# Altium PCB MasterBoard Filips Shape.PcbDoc (part 2 of 2)
Units mil, origin at the board's own origin, x right, y up, seen from the top; angles counter-clockwise.
Board outline 2846.02 x 5000 mil, 4 copper layers (Top Layer, GROUND, POWER, Bottom Layer), stack 23.756 mil thick; 102 components, 59 nets, 328 pads, 103 vias.
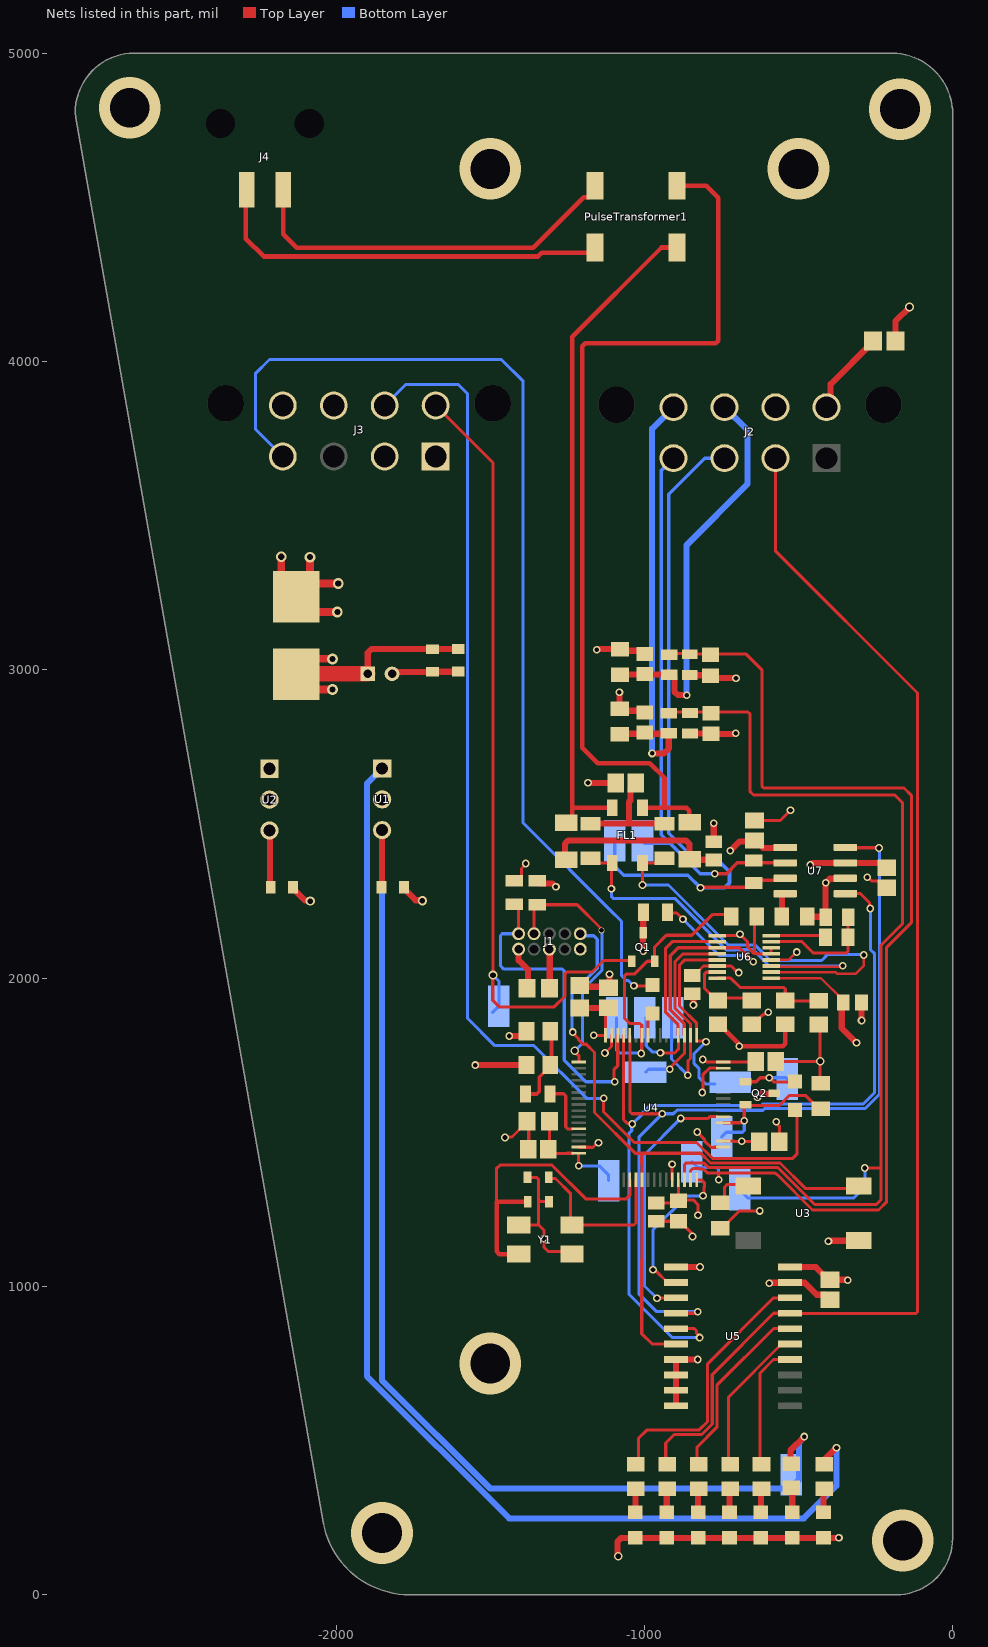
[diagram p4: the nets of this part, all layers, seen from the top]

## Via types
v1: diameter 25, hole 15, Top Layer to Bottom Layer, 82 vias
v2: diameter 200, hole 129, Top Layer to Bottom Layer, 7 vias
v3: diameter 35, hole 20, Top Layer to Bottom Layer, 6 vias
v4: diameter 28, hole 18, Top Layer to Bottom Layer, 4 vias
v5: diameter 30, hole 18, Top Layer to Bottom Layer, 3 vias
v6: diameter 20, hole 15, Top Layer to Bottom Layer, 1 vias

## Nets (pads, with @x,y where several pads share a name; then routed paths per layer and width w, separated by ;. In a path a pad name is that pad's centre, name@x,y a point inside that pad or via, vN(x,y) a via of type N, cw(c..) or ccw(c..) an arc to the next point about the centre after c; other vN are vias at no path point)
12V_Fused: C1.1 C2.1 C4.1 F1.2 R7.2 U1.1 U2.1 | length 4929.9
  Top Layer w10: F1.2@-2178,3034.61 F1.2@-2129,2985.61 ; F1.2@-2165,2949.61 F1.2@-2129,2985.61 ; F1.2@-2080,2936.61 F1.2@-2129,2985.61 ; F1.2@-2079,3035.61 F1.2@-2129,2985.61
  Top Layer w20: C2.1@-1897.37,2987 -1897.37,3055.7 -1885.65,3067.42 C4.1@-1604,3067.42 ; R7.2@-423,431 v1(-377,477)
  Top Layer w25: F1.2@-2080,2936.61 v3(-2012,2936.61) ; F1.2@-2079,3035.61 v3(-2012,3035.61)
  Top Layer w50: F1.2@-2126,2987 C2.1@-1897.37,2987
  Bottom Layer w20: U1.1@-1850.29,2680.29 -1900.27,2630.31 -1900.27,708.91 -1438.96,247.61 -482.56,247.61 -377,353.16 -377,476.78 v1@-376.78,477
AIR_Open_Sig: AIR_OPEN_SIGNAL.1 J3.5 Q1.1 | length 2709.7
  Top Layer w10: J3.5@-1676.94,3857.35 -1491,3671.42 v4(-1491,2010) ; v4@-1492,2010 -1492,1928 -1470.95,1906.95 -1292.02,1906.95 -1257,1941.97 -1257,2014.14 -1251.14,2020 -1170,2020 -1139,2051 -1139,2051.14 -1133.14,2057 -1043.66,2057 Q1.1@-1041.4,2054.74
  Bottom Layer w10: AIR_OPEN_SIGNAL.1@-1493,1888 AIR_OPEN_SIGNAL.1@-1472,1909 -1472,1991 v4(-1491,2010)
AIRS_Signal_NMOS: "AIR Signal NMOS.1" Q1.2 R16.2 U4.42 | length 946.1
  Top Layer w10: v1(-1010.59,1755.41) -1008.45,1757.55 -1008.45,1813.69 U4.42@-1007.78,1814.35 -1008.45,1815.02 -1008.45,1847.07 -1014.39,1853.01 -1047.15,1853.01 -1065,1870.86 -1065,2006.28 -1057.51,2013.77 -1031.23,2013.77 -990.26,2054.74 Q1.2@-966.6,2054.74 -966.6,2101.11 -928.71,2139 -846,2139 -778,2207 -731.37,2207 R16.2@-718.37,2194
  Bottom Layer w10: -1090,1871 -1090,1765.86 -1081.14,1757 -1012.18,1757 v1(-1010.59,1755.41)
CANH: CANH.1 J2.3 R37.2 U7.7 | length 2392.1
  Top Layer w12: v1(-818,2293) -815.84,2293 -813.54,2295.29 -658.09,2295.29 R37.2@-645,2308.39 -635.48,2317.9 -576.14,2317.9 -570.05,2324 U7.7@-543.28,2324
  Bottom Layer w12: CANH.1@-1096,2446 -1096,2363 -1067,2334 -859,2334 v1(-818,2293) -740,2293 -724,2309 -724,2345 -760,2381 -832,2381 -921,2470 -921,3570 -804.45,3686.55 J2.3@-740.15,3686.55
CANL: CANL.1 J2.4 R37.1 U7.6 | length 1803.9
  Top Layer w12: v1(-772,2339) -734,2339 -699,2374 -652.61,2374 R37.1@-645,2381.61 -637.39,2374 U7.6@-543.28,2374
  Bottom Layer w12: CANL.1@-1006,2446 -998,2438 -918,2438 ; J2.4@-905.5,3686.55 -905.5,3686.01 -945,3646.51 -945,2465 -918,2438 ; v1(-772,2339) -819,2339 -918,2438
CanRx: U4.44 U5.4 U7.4 | length 2899.3
  Top Layer w10: U4.44@-1047.15,1814.35 -1047.15,1567.15 -1040,1560 v1(-942,1560) ; U5.4@-897,913 -835.73,913 -830.5,918.23 v1(-826.44,918.23) ; U7.4@-348,2424 -347,2423 -240,2423 v1(-239,2422)
  Bottom Layer w10: v1(-826.44,918.23) -960.23,918.23 -1018,976 -1018,1484 v1(-942,1560) -905.89,1560 -893.39,1572.5 -754.89,1572.5 -753.89,1571.5 -615.4,1571.5 -609.9,1577 -283.79,1577 -238,1622.79 -238,2421 v1(-239,2422)
CanRx_FromBuff: R3.2 U5.16 | length 598.6
  Top Layer w10: R3.2@-823.84,423.11 -828.84,428.11 -828.84,479.15 -764.99,543 -764.99,679.01 -581,863 U5.16@-527,863
CanTx: U4.45 U5.5 U7.1 | length 2790.6
  Top Layer w10: U4.45@-1066.83,1814.35 -1067.57,1813.62 -1067.57,1813.24 -1067.57,1541.19 -1055.39,1529 -1041,1529 v1(-1039,1527) ; U5.5@-897,863 -837.96,863 -830.94,855.98 -830.94,848 -821,838.06 v1(-821,834) ; U7.1@-348,2274 -299,2274 -269.87,2244.87 -269.87,2228.87 v1(-267,2226)
  Bottom Layer w10: v1(-821,834) -909,834 -1049.67,974.67 -1049.67,1496.76 -1041,1505.43 -1041,1525 -1007,1559 -1007,1562 -981.5,1587.5 -748.68,1587.5 -747.68,1586.5 -621.61,1586.5 -616.11,1592 -290,1592 -253,1629 -253,2078.89 -267,2092.89 v1(-267,2226)
CanTx_FromBuff: R4.2 U5.15 | length 489.1
  Top Layer w10: R4.2@-727,423.11 -727,641 -555,813 U5.15@-527,813
CHANNEL1: C6.1 CHANNEL1.1 R10.1 R11.2 U4.14 | length 3645.8
  Top Layer w10: R11.2@-921,2859.48 -917.48,2863 -854.5,2863 R10.1@-852,2860.5 -849.5,2863 C6.1@-784,2863 ; U4.14@-869.98,1345.85 -869.98,1395.14 -864.13,1401 -807.43,1401 -791.69,1385.26 -566.47,1385.26 -447.05,1265.84 -247.86,1265.84 -242,1271.7 -232.71,1280.99 ; C6.1@-784,2859.46 C6.1@-784,2863 ; v1(-285,1384) -232,1384 ; -232,1281.7 -232,1373 ; -232,1374 -232,1384 ; C6.1@-784,2863 -663.86,2863 -658,2857.14 -658,2606 -646,2594 -188,2594 -163,2569 -163,2176.46 -232,2107.46 -232,1384
  Bottom Layer w10: CHANNEL1.1@-691,1313 -665,1287 -321,1287 -285,1323 v1(-285,1384)
CHANNEL2: C11.2 CHANNEL2.1 R13.1 R15.2 U4.15 | length 3440.4
  Top Layer w10: R15.2@-919,3049.48 -915.48,3053 -855.5,3053 R13.1@-853,3050.5 -852.5,3051 C11.2@-785,3051 ; U4.15@-850.3,1345.85 -850.3,1374.73 -842.68,1382.35 -820.95,1382.35 -819.19,1380.59 -808.23,1380.59 -796.24,1368.6 -759,1368.6 ; C11.2@-785,3048.46 C11.2@-785,3051 ; v1(-759,1346) -759,1368.6 ; C11.2@-785,3051 -669.86,3051 -619,3000.14 -619,2622.86 -613.14,2617 -158,2617 -134,2593 -134,2180 -214,2100 -214,1274.24 -240.4,1247.84 -454.51,1247.84 -569.49,1362.82 ccw(c-576.56,1355.75) -569.56,1362.89 ccw(c-583.34,1349.1) -583.34,1368.6 -759,1368.6
  Bottom Layer w10: CHANNEL2.1@-846,1405 -827,1386 -766,1386 -759,1379 v1(-759,1346)
ChargeSignal: R35.1 U4.41 | length 77.8
  Top Layer w10: U4.41@-988.09,1814.35 -988.09,1870.15 -988.84,1870.9 R35.1@-974,1885.74
Charging: "Charging Signal.1" Q2.1 R33.1 | length 231.1
  Top Layer w10: Q2.1@-672,1663.8 -671.9,1663.9 -637.56,1663.9 -624.46,1677 v1(-594.94,1677) -581.34,1663.4 -512.86,1663.4 R33.1@-512,1664.26
  Bottom Layer w10: v1(-594.94,1677) -541,1677 -537,1673
CS_CHANNEL1: C7.2 J2.8 R9.1 R11.1 | length 1422.5
  Top Layer w20: R9.1@-1080,2790.63 -1078.05,2792.57 -922.95,2792.57 R11.1@-921,2794.52 -921,2744.87 -936.78,2729.09 -974.91,2729.09 v1(-975,2729)
  Bottom Layer w20: v1(-975,2729) -975,3782.41 J2.8@-905.5,3851.91
CS_CHANNEL2: C10.1 J2.7 R12.1 R15.1 | length 1309
  Top Layer w20: R12.1@-1079,2984.63 -1078.95,2984.57 -919.05,2984.57 R15.1@-919,2984.52 ; R15.1@-909.16,2984.52 -902.43,2977.79 -902.43,2929.72 -890.71,2918 v1(-863,2918)
  Bottom Layer w20: v1(-863,2918) -863,3405 -665,3603 -665,3776.76 J2.7@-740.15,3851.91
GND: 5V.1 12V.1 C1.2 C2.2 C3.2 C4.2 C5.2 C6.2 C7.1 C8.2 C9.2 C10.2 C11.1 C12.1 C13.1 C14.1 C15.2 C16.1 C17.1 C18.2 C19.1 C20.1 C21.1 C22.1 C23.1 C24.1 C25.1 C26.1 C27.2 C28.2 CnRx.1 CnTx.1 HBt.1 J1.5 J1.9 J2.6 J3.7 J3.8 R9.2 R10.2 R12.2 R13.2 R14.1 R16.1 R20.2 R23.2 R25.2 R26.1 R34.1 R36.2 Reset.1 ShutD.1 U1.2 U2.2 U3.4 U4.12 U4.18 U4.31 U4.47 U4.63 U5.1 U5.7 U5.8 U5.9 U5.10 U5.19 U6.1 U6.13 U6.14 U7.2 Y1.2 Y1.4 | length 5773.6
  Top Layer w10: v1(-1452,1483) -1450.09,1484.91 -1429.54,1484.91 -1380.47,1533.98 C15.2@-1380.47,1536 -1375,1530.53 -1375,1446.48 C14.1@-1376.48,1445 ; Y1.4@-1407.61,1199.24 -1342.24,1199.24 ; C28.2@-1378.07,1352.93 -1348.93,1352.93 -1343.07,1347.07 -1343.07,1280.93 ; C27.2@-1309.62,1274.93 -1337.07,1274.93 -1343.07,1280.93 ; Y1.2@-1232.14,1107 Y1.2@-1234.39,1104.76 -1242.63,1113 -1311,1113 -1326,1128 v1(-1326,1155.5) -1326,1183 -1342.24,1199.24 ; U4.63@-1212.5,1452.15 -1211.83,1451.48 -1175.38,1451.48 -1174.94,1451.05 -1166.66,1451.05 -1151.71,1466 v1(-1149,1466) ; v1(-1128,1757) -1106.87,1778.13 -1106.87,1813.69 U4.47@-1106.2,1814.35 ; C16.1@-961,1211.47 -890.06,1211.47 C17.1@-890,1211.54 -886.06,1211.54 -846.87,1172.34 -846.87,1164.87 v1(-844,1162) ; v1(-910.1,1395.9) -910.1,1370.9 -910.02,1370.82 -910.02,1346.52 U4.12@-909.35,1345.85 ; v1(-829,1501) -805.52,1477.52 -805.52,1472.52 -784.05,1451.05 -774.05,1451.05 -773.61,1451.48 U4.18@-762.62,1451.48 ; v1(-812,1629) -810.2,1630.8 -810.2,1686.69 -788.83,1708.06 U4.31@-762.62,1708.06 ; U6.1@-763.6,2137.9 -698.16,2137.9 -694.06,2142 v1(-690,2142) -665.13,2117.13 -665.13,2100.85 -644.78,2080.5 -633.6,2080.5 -631.94,2078.84 U6.13@-588.4,2078.84 -589.41,2079.85 -589.41,2097.52 U6.14@-588.4,2098.53 ; R23.2@-652,1850.57 -646.51,1850.57 -619.31,1877.77 cw(c-599.52,1857.99) -613.49,1882.24 cw(c-608.52,1873.56) -610.25,1883.41 ccw(c-614.82,1909.62) -604.38,1885.14 ccw(c-614.82,1909.62) v1(-598,1889) ; -643.12,2080.5 -643.12,2192.51 R16.1@-635.63,2200 ; C24.1@-643,2511.48 -559.52,2511.48 v1(-526,2545) ; C13.1@-573.52,1730 -447.62,1730 ; v1(-572,1534) -572,1529.94 -562.04,1519.98 C12.1@-562.04,1469 ; -444.14,1730 -447.61,1730 ; R25.2@-434,1849.57 -430,1845.57 v4(-430,1730) ; R34.1@-428,1659.37 -430,1661.37 v4(-430,1730) ; v1(-277.29,2327) -274.59,2327 -262.68,2315.09 -235.57,2315.09 C23.1@-214,2293.52 ; -1343.07,1280.93 -1343.07,1200.07 -1342.24,1199.24 ; -447.62,1730 v4(-430,1730)
  Top Layer w20: C5.2@-2139.58,2295 -2139.58,2290.08 -2101.42,2251.91 -2085.91,2251.91 v5(-2084,2250) ; C2.2@-1818.63,2987 -1813.36,2992.27 -1794.44,2992.27 -1793.13,2993.58 C1.2@-1687,2993.58 -1686.5,2994.08 -1604.5,2994.08 C4.2@-1604,2994.58 ; C3.2@-1779.58,2295 -1779.58,2290.08 -1742.03,2252.53 -1721.53,2252.53 v5(-1720,2251) ; v1(-1549,1718) R20.2@-1382.43,1718 R20.2@-1378.43,1718 ; R14.1@-1342.63,2320.76 R14.1@-1348,2315.39 -1339.3,2306.68 -1297.68,2306.68 v1(-1287,2296) ; J1.5@-1308,2094 -1307,2093 -1307,1968 C8.2@-1306,1967 ; C18.2@-1210,1975.47 -1206.51,1971.97 -1129.55,1971.97 -1124.52,1977 C19.1@-1116,1968.48 ; v1(-1183,2634) -1182,2633 C26.1@-1093.48,2633 ; v1(-1155,3065) -1153.65,3065 -1151.27,3067.37 R12.2@-1079,3067.37 ; C19.1@-1116,1977 -1113,1980 v1(-1113,2013) ; v4(-1085,125) -1085,127.16 -1086.91,129.07 -1086.91,172.69 -1075.19,184.4 HBt.1@-1029,184.4 ; v1(-1081,2927) -1081,2874.37 R9.2@-1080,2873.37 ; R12.2@-1075,3067 R12.2@-1060.88,3081.12 ; R9.2@-1073.11,2880.27 -1060.31,2867.47 -1004.9,2867.47 C7.1@-999,2861.57 ; R12.2@-1060.31,3080.47 -1060.31,3063.03 -1059.31,3062.03 -1009.46,3062.03 C10.2@-999,3051.57 ; HBt.1@-1030.97,184.4 ShutD.1@-927.33,184.4 CnRx.1@-825.67,184.4 CnTx.1@-724,184.4 Reset.1@-622.33,184.4 5V.1@-520.67,184.4 -369.73,184.4 -369.13,185 v1(-369,185) ; U5.10@-897,613 U5.9@-897,663 U5.8@-897,713 U5.7@-897,763 v1(-827,763) ; U5.1@-897,1063 U5.1@-897,1063 -819.81,1062.96 v1(-819.78,1062.92) ; R13.2@-853,2983.5 -852.02,2982.52 C11.1@-785.98,2982.52 ; R10.2@-852,2793.5 -851.52,2793.02 -784.48,2793.02 -783.46,2792 -707.35,2792 -705.35,2794 v1(-704,2794) ; C22.1@-845,1949.47 -841.09,1945.56 -841.09,1913.09 v1(-841,1913) ; C11.1@-785,2981.54 C11.1@-785.98,2982.52 ; C25.1@-775,2442.53 v1(-775,2502) ; v1(-703,2973) -703.96,2973.96 -777.42,2973.96 C11.1@-785.98,2982.52 ; v1(-595,1010.5) -593.65,1010.5 -592.15,1012 U5.19@-527,1012 ; U5.19@-527,1013 -526,1012 -480,1012 -441.02,973.02 -414.5,973.02 C20.1@-398,956.52 ; R36.2@-471.3,2200 -470.3,2199 -412.42,2199 R26.1@-412,2198.58 ; R26.1@-411.42,2198 R26.1@-412,2198.58 ; v1(-403,1147) -401.58,1148.42 U3.4@-304.87,1148.42 U3.4@-288,1131.55 ; U7.2@-348,2324 -349.61,2322.39 -398.61,2322.39 v1(-412,2309) R26.1@-412,2198.58 ; v1(-295.47,1862.53) C21.1@-295.47,1921 ; C9.2@-185.55,4067 -185.55,4131.45 v5(-140,4177)
  other v2: -162,176 -1851,200 -1500,750 -1500,4625 -500,4625 -171,4819 -2669,4823
HEARTBEAT: R1.2 U5.18 | length 881.6
  Top Layer w10: R1.2@-1019,416 -1019,507 -991.15,534.85 -821.85,534.85 -794.99,561.72 -794.99,749.01 -581,963 U5.18@-527,963
HEARTBEAT_BUFF: U4.16 U5.2 | length 502.5
  Top Layer w10: v1(-972,1054) -969.13,1051.13 -963.13,1051.13 -925,1013 U5.2@-897,1013 ; U4.16@-830.61,1345.85 -814.85,1345.85 -805.5,1336.5 -805.5,1322.56 -807.13,1320.93 -807.13,1296.87 v1(-810,1294)
  Bottom Layer w10: v1(-972,1054) -972,1183.35 -861.35,1294 v1(-810,1294)
IM: FL1.2 R31.1 U6.10 | length 1326.8
  Top Layer w7.87: U6.10@-588.4,2019.79 -380.6,2019.79 -374.37,2013.56 -315.44,2013.56 -288,2041 v1(-288,2075)
  Top Layer w10: v1(-1006,2302) -1006,2373.22 FL1.2@-1005.79,2373.43 -949.46,2373.43 R31.1@-934,2388.9
  Bottom Layer w10: v1(-1006,2302) -921.79,2302 -839,2219.21 -839,2219 -727,2107 -640.9,2107 -590.9,2057 -425,2057 -405,2077 -297.07,2077 -296.98,2076.91 -289.91,2076.91 v1(-288,2075)
IM_Out_Connector: J4.2 PulseTransformer1.3 | length 1267.7
  Top Layer w15: J4.2@-2171.94,4556.65 -2171.94,4412.94 -2128,4369 -1360.5,4369 -1196.66,4532.84 -1179.5,4532.84 -1159.5,4552.84 PulseTransformer1.3@-1159.5,4570
IP: FL1.1 R29.2 U6.11 | length 1264.1
  Top Layer w7.87: U6.11@-588.4,2039.47 -586.53,2037.6 -359.4,2037.6 v1(-357,2040)
  Top Layer w10: R29.2@-1175.46,2388.9 -1159.99,2373.43 FL1.1@-1104.21,2373.43 -1107,2370.65 v1(-1107,2290)
  Bottom Layer w10: v1(-1107,2290) -1107,2264.86 -1101.14,2259 -901,2259 -734,2092 -647.11,2092 -594.58,2039.47 -357.53,2039.47 v1(-357,2040)
IP_Out_Connector: J4.1 PulseTransformer1.4 | length 1328.4
  Top Layer w15: J4.1@-2290.06,4556.65 -2293,4553.7 -2293,4399 -2235,4341 -1345,4341 -1333.16,4352.84 -1176.66,4352.84 PulseTransformer1.4@-1159.5,4370
MISO: R27.1 TP_MISO.1 U4.35 U6.3 | length 1132.2
  Top Layer w10: R27.1@-924.63,2214 -922,2211.37 -895.37,2211.37 v1(-875,2191) ; v1(-917.45,1704.55) -917.45,1708.52 -869.98,1755.98 U4.35@-869.98,1814.35 -870.65,1815.02 -870.65,1851.65 -916,1897 -916,2072.64 -890.11,2098.53 -692.53,2098.53 v1(-647,2053)
  Bottom Layer w10: TP_MISO.1@-996,1695 -986.45,1704.55 v1(-917.45,1704.55) ; v1(-875,2191) -758,2074 -668,2074 v1(-647,2053)
NetC25_2: C25.2 R30.1 R32.2 | length 596.5
  Top Layer w20: R30.1@-1253,2383.92 -1258,2388.92 -1258,2435.28 -1246.28,2447 -865.72,2447 -854,2435.28 -854,2385.92 R32.2@-853,2384.92 -852.28,2384.2 -775.72,2384.2 C25.2@-775,2383.47
NetC26_2: C26.2 R29.1 R31.2 | length 382.3
  Top Layer w20: R29.1@-1175.46,2501.1 -1050,2501.1 ; C26.2@-1028.52,2633 -1041.38,2620.14 -1045.09,2616.43 -1045.09,2576.28 -1050,2571.38 -1050,2501.1 ; R31.2@-934,2501.1 -1050,2501.1
"NetCharging Signal NMOS_1": "Charging Signal NMOS.1" Q2.2 R34.2 U4.22 | length 513
  Top Layer w10: U4.22@-744,1530.89 -684.82,1530.89 -678.71,1537 v1(-676,1537) -676,1585 Q2.2@-672,1589 -669.5,1586.5 -563.5,1586.5 -531,1619 -476.31,1619 -433.94,1576.63 R34.2@-428,1576.63
  Bottom Layer w10: -749,1485 -734,1500 -681.86,1500 -676,1505.86 v1(-676,1537)
NetD1_2: HBt.2 R1.1 | length 65.6
  Top Layer w20: R1.1@-1029.52,345.48 -1029.26,345.22 HBt.2@-1029.26,280.34 ; HBt.2@-1029.26,267.34 HBt.2@-1029,267.08
NetD2_2: R2.1 ShutD.2 | length 65.5
  Top Layer w20: R2.1@-927.68,345.48 -927.51,345.31 ShutD.2@-927.51,280.25 ; ShutD.2@-927.51,267.25 ShutD.2@-927.33,267.08
NetD3_2: CnRx.2 R3.1 | length 65.5
  Top Layer w20: R3.1@-825.84,345.48 -825.75,345.39 CnRx.2@-825.75,280.16 ; CnRx.2@-825.75,267.16 CnRx.2@-825.67,267.08
NetD4_2: CnTx.2 R4.1 | length 65.4
  Top Layer w20: CnTx.2@-724,280.08 R4.1@-724,345.48
NetD5_2: R5.1 Reset.2 | length 65.5
  Top Layer w20: Reset.2@-622.33,267.08 Reset.2@-622.25,267.16 ; Reset.2@-622.25,280.16 -622.25,345.39 R5.1@-622.16,345.48
NetD6_2: 5V.2 R6.1 | length 65.5
  Top Layer w20: 5V.2@-520.67,267.08 5V.2@-520.49,267.25 ; 5V.2@-520.49,280.25 -520.49,345.31 R6.1@-520.32,345.48
NetD7_2: 12V.2 R7.1 | length 65.6
  Top Layer w20: 12V.2@-419,267.08 12V.2@-418.74,267.34 ; 12V.2@-418.74,280.34 -418.74,345.22 R7.1@-418.48,345.48
NetF1_1: F1.1 J3.1 J3.2 | length 626.7
  Top Layer w10: F1.1@-2080.21,3187.61 F1.1@-2129,3236.39 ; F1.1@-2129,3236.39 -2129,3259.61 -2171,3301.61 -2171,3278.39 F1.1@-2129,3236.39
  Top Layer w25: v3(-2178,3367) -2178,3307.36 -2172.25,3301.61 F1.1@-2171,3301.61 ; F1.1@-2129,3236.39 -2085.39,3280 v3(-1993,3280) ; F1.1@-2085,3280.39 v3(-2085,3365.61) ; F1.1@-2080.21,3187.61 v3(-1996,3187.61)
NetFL1_3: FL1.3 PulseTransformer1.2 R32.1 | length 2963.1
  Top Layer w10: R32.1@-854,2506.08 R32.1@-853,2505.08
  Top Layer w15: FL1.3@-1005.79,2552.57 -934.68,2552.57 ; PulseTransformer1.2@-894.5,4570 -799,4570 -760,4531 -760,4067.79 -768.79,4059 -1192.21,4059 -1201,4050.21 -1201,2747 -1151,2697 -982.22,2697 -934.68,2649.45 -934.68,2552.57 ; R32.1@-854,2506.08 -854,2543 -863.57,2552.57 -934.68,2552.57
NetFL1_4: FL1.4 PulseTransformer1.1 R30.2 | length 2173.2
  Top Layer w10: R30.2@-1253,2504.08 R30.2@-1250.08,2507
  Top Layer w15: R30.2@-1250.08,2507 -1249.79,2507 -1233.51,2523.28 -1233.51,2552.57 ; FL1.4@-1104.21,2552.57 -1233.51,2552.57 ; PulseTransformer1.1@-894.5,4370 -944.5,4370 -1233.51,4080.99 -1233.51,2552.57
NetJ3_4: J3.4 R35.2 | length 3398.6
  Top Layer w10: v1(-1034,1975) -977.26,1975 R35.2@-974,1978.26
  Bottom Layer w10: J3.4@-2173,3692 -2262,3781 -2262,3961 -2216,4007 -1464,4007 -1393.12,3936.12 -1393.12,2503.12 -1094,2204 -1093.86,2204 -1074,2184.14 -1074,2008 -1058.5,1992.5 -1052.19,1992.5 -1034.69,1975 v1(-1034,1975)
NetJ3_6: J3.6 R33.2 | length 3768.9
  Top Layer w10: v1(-1132,1610) -1133,1609 -1133,1567.3 -1032.65,1466.95 -830.95,1466.95 -779.26,1415.26 -518.74,1415.26 -505.64,1428.36 -505.64,1565.38 R33.2@-512,1571.74
  Bottom Layer w10: J3.6@-1842.29,3857.35 -1774.65,3925 -1603,3925 -1574,3896 -1574,1870 -1485,1781 -1358,1781 -1187,1610 v1(-1132,1610)
NetR17_1: R17.1 U3.1 | length 139.3
  Top Layer w10: R17.1@-754,1271.37 -740,1285.37 -740,1322 -731,1331 -668.55,1331 U3.1@-663.13,1325.58
NetR18_1: R18.1 U4.60 | length 182.8
  Top Layer w10: R18.1@-1306.63,1624 -1305.63,1625 -1262.03,1625 -1255,1617.97 -1255,1517.13 -1247.97,1510.1 -1239.69,1510.1 -1239.25,1510.54 U4.60@-1231.13,1510.54
NetR18_2: R18.2 R19.1 R20.1 | length 260.1
  Top Layer w12: R18.2@-1385.37,1624 -1349.26,1624 -1340.77,1632.49 -1340.77,1678.82 R20.1@-1301.59,1718 ; R19.1@-1302,1828 -1301.57,1827.57 R20.1@-1301.57,1718
NetR21_1: R21.1 R26.2 U6.15 | length 378.2
  Top Layer w10: U6.15@-588.4,2118.21 -488.61,2118.21 -451.4,2081 -345.44,2081 -339.58,2086.86 R21.1@-339.58,2132 -339.58,2197 R26.2@-338.58,2198
NetR21_2: R21.2 U6.16 | length 178.4
  Top Layer w10: U6.16@-588.4,2137.9 -418.31,2137.9 R21.2@-412.42,2132
NetR22_1: R22.1 R23.1 U6.7 | length 266.8
  Top Layer w10: U6.7@-763.6,2019.79 -786.35,2019.79 -787.14,2019 -799.69,2019 -805.55,2013.14 -805.55,1968 -764.98,1927.43 R22.1@-761,1927.43 -753,1935.43 -660,1935.43 R23.1@-652,1927.43
NetR24_1: R24.1 R25.1 U6.8 | length 381.6
  Top Layer w10: U6.8@-763.6,2000.1 -720.06,2000.1 -689.95,1970 -548.86,1970 -543,1964.14 R24.1@-543,1927.43 -542,1926.43 R25.1@-434,1926.43
NetR36_1: R36.1 U7.8 | length 83.8
  Top Layer w20: R36.1@-554.04,2200 -554.04,2272.39 -552.43,2274 U7.8@-543.28,2274
NetTP_CS_1: TP_CS.1 U4.33 U6.5 | length 628.8
  Top Layer w10: v1(-800,1794) -801.73,1795.73 -829.94,1795.73 -830.61,1796.4 -830.61,1854.04 -886,1909.43 -886,2042.14 -868.98,2059.16 U6.5@-763.6,2059.16
  Bottom Layer w10: v1(-800,1794) -838.5,1755.5 -838.5,1722.49 -823.5,1707.49 -823.5,1678.54 -801.96,1657 TP_CS.1@-771,1657
NetTP_MOSI_1: TP_MOSI.1 U4.36 U6.2 | length 732.3
  Top Layer w10: v1(-948,1758) -947,1757 -901.86,1757 -889.67,1769.19 U4.36@-889.67,1814.35 -890.34,1815.02 -890.34,1848.34 -931,1889 -931,2096.99 -909.78,2118.21 U6.2@-763.6,2118.21
  Bottom Layer w10: TP_MOSI.1@-997,1871 -994,1868 -994,1779.96 -974.91,1760.87 -950.87,1760.87 v1(-948,1758)
NetTP_SCK_1: TP_SCK.1 U4.34 U6.4 | length 749.1
  Top Layer w10: v1(-859,1685) -859,1730.91 -850.3,1739.61 U4.34@-850.3,1814.35 -850.76,1814.82 -850.76,1852.98 -901,1903.21 -901,2052.6 -874.76,2078.84 U6.4@-763.6,2078.84
  Bottom Layer w10: TP_SCK.1@-908,1870 -912,1866 -912,1738 v1(-859,1685)
OSC_IN: C27.1 U4.5 Y1.1 | length 1038.7
  Top Layer w10: -1476,1275.21 -1480,1279.21 -1480,1382 -1468,1394 -1300,1394 -1189,1283 -1060,1283 -1047.15,1295.85 U4.5@-1047.15,1345.85
  Top Layer w15: -1476,1275.21 -1435.27,1275.21 ; Y1.1@-1407.61,1104.76 -1470.21,1104.76 -1479,1113.54 -1479,1275 -1435.27,1275 -1378.59,1275 C27.1@-1378.52,1274.93 -1378.52,1280.83 C27.1@-1383.82,1286.13
OSC_OUT: C28.1 U4.6 Y1.3 | length 546.4
  Top Layer w10: C28.1@-1310.17,1353.93 -1306.48,1350.24 -1288.24,1350.24 -1239,1301 -1239,1203.86 Y1.3@-1234.39,1199.24 -1034.07,1199.24 -1027.46,1205.85 U4.6@-1027.46,1345.85
RESET: J1.10 U3.2 U4.7 U5.6 | length 2369
  Top Layer w10: v1(-1232.5,1825) -1232.5,1822.53 -1214.29,1804.32 -1214.29,1800.79 -1198.95,1785.45 -1188.68,1785.45 -1162,1758.76 -1162,1564 -1030,1432 -1008.53,1432 ; U5.6@-897,813 -975,813 -1008.53,846.53 -1008.53,1086.84 -1007.78,1087.59 U4.7@-1007.78,1345.85 -1007.78,1397.53 -1008.53,1398.28 -1008.53,1432 ; U3.2@-304.87,1325.58 -313.45,1317 -477,1317 -560.26,1400.26 -785.47,1400.26 -817.21,1432 -1008.53,1432
  Bottom Layer w10: v1(-1232.5,1825) -1234.76,1827.26 -1234.76,1950.24 -1153,2032 -1153,2126 -1164.5,2137.5 -1201.5,2137.5 J1.10@-1208,2144
RESET_FromBuff: R5.2 U5.14 | length 418.3
  Top Layer w10: R5.2@-625.16,417 -625.16,718.84 -581,763 U5.14@-527,763
SHUTDOWN: J2.2 R2.2 U5.17 | length 4118.5
  Top Layer w10: R2.2@-925.68,423.11 -930.68,428.11 -930.68,492.32 -903.15,519.85 -814.13,519.85 -779.99,554 -779.99,714.01 -581,913 U5.17@-527,913 -526,912 -119.86,912 -114,917.86 -114,2925 -575,3386 -575,3686.34 J2.2@-574.79,3686.55
SHUTDOWN_BUFF: U4.23 U5.3 | length 833.8
  Top Layer w10: v1(-959.23,961.23) -958.35,962.12 -897.88,962.12 U5.3@-897,963 ; v1(-882,1545) -793.07,1545 -787.5,1550.57 U4.23@-762.62,1550.57
  Bottom Layer w10: v1(-959.23,961.23) -999.5,1001.5 -999.5,1427.5 v1(-882,1545)
SWCLK: J1.4 R14.2 U4.49 | length 814.4
  Top Layer w10: J1.4@-1358,2144 -1358,2228.61 R14.2@-1348,2238.61 -1347.39,2238 -1218,2238 -1144,2164 -1144,2162.71 -1139,2157.71 v6(-1139,2155) ; v4(-1226,1764) -1226,1761.91 -1212.5,1748.41 U4.49@-1212.5,1727.74
  Bottom Layer w10: v4(-1226,1764) -1201,1789 -1201,1962 -1138,2025 -1138,2154 v6(-1139,2155)
SWDIO: J1.2 R8.1 U4.46 | length 1116.9
  Top Layer w10: R8.1@-1422,2239.61 R8.1@-1412.35,2239.61 ; J1.2@-1408,2144 R8.1@-1408,2239.61 ; v1(-1096,1664) -1098,1666 -1098,1704.71 -1086.52,1716.19 U4.46@-1086.52,1814.35
  Bottom Layer w10: J1.2@-1408,2144 -1461.14,2144 -1467,2138.14 -1467,2040 -1456,2029 -1265.86,2029 -1260,2023.14 -1260,1734 -1190,1664 v1(-1096,1664)
VCC_3.3V: C5.1 C8.1 C12.2 C13.2 C14.2 C15.1 C16.2 C17.2 C18.1 C19.2 C22.2 C24.2 J1.1 Q1.3 Q2.3 R8.2 R17.2 R19.2 R27.2 U2.3 U4.13 U4.19 U4.32 U4.48 U4.64 U6.6 U7.5 VCC_3.3V.1 | length 2305.8
  Top Layer w10: R8.2@-1422,2316.39 -1412.16,2316.39 -1398.46,2330.09 -1398.46,2355.84 -1385,2369.29 v1(-1385,2372) ; C15.1@-1307.53,1536 -1307.53,1448.99 C14.2@-1311.52,1445 -1297.65,1431.13 -1251.87,1431.13 -1251.13,1431.87 U4.64@-1231.13,1431.87 ; U4.64@-1213.25,1431.8 -1213.25,1391.25 v1(-1213,1391) ; v1(-1164.07,1815.13) -1163.3,1814.35 U4.48@-1125.89,1814.35 -1125.89,1892.13 -1126.64,1892.88 -1116.49,1903.03 C19.2@-1116,1903.52 ; C16.2@-961,1270.53 -897.94,1270.53 C17.2@-887.46,1281 ; U4.13@-889.67,1345.85 -889.67,1283.2 C17.2@-887.46,1281 ; C22.2@-845,2008.53 -839.09,2008.53 -808.15,2039.47 U6.6@-763.6,2039.47 -718.49,2039.47 -697.02,2018 v1(-694,2018) ; v1(-826,1231) -826,1265.04 -841.96,1281 C17.2@-887.46,1281 ; v1(-811,1736) -806.94,1736 -798.68,1727.74 -640.74,1727.74 C13.2@-638.48,1730 ; R17.2@-754,1188.63 -748.06,1188.63 -691.69,1245 v1(-626,1245) ; U4.19@-744,1471.83 -743.33,1471.17 -709.7,1471.17 -709.27,1470.73 -628.73,1470.73 C12.2@-627,1469
  Top Layer w20: U2.3@-2216,2479 -2214.21,2477.21 -2214.21,2296.79 C5.1@-2212.42,2295 ; v1(-1438,1812.24) -1437.91,1812.33 -1394.53,1812.33 R19.2@-1378.86,1828 ; J1.1@-1408,2094 -1408,2058 -1377,2027 -1377,1970.47 C8.1@-1380.47,1967 ; C18.1@-1210,1902.53 -1209.51,1903.03 C19.2@-1116.49,1903.03 ; C19.2@-1126.64,1892.88 C19.2@-1116,1903.52 ; v1(-1004,2088) Q1.3@-1004,2147.26 -1003.68,2147.57 -1003.68,2213.69 R27.2@-1003.37,2214 ; v1(-721.73,2413.27) -691.8,2443.2 -646.32,2443.2 C24.2@-643,2446.52 ; C24.2@-639.06,2446.52 -614.93,2422.39 U7.5@-543.28,2422.39 ; v1(-633,1614) -631.65,1614 -621.06,1624.59 -581.29,1624.59 Q2.3@-579.48,1626.4
  Bottom Layer w10: v1(-1213,1391) -1146.04,1391 -1116,1360.96 VCC_3.3V.1@-1116,1343
  other v1: -684.27,1470.73
VCC_5V: C3.1 C9.1 C20.2 C21.2 C23.2 J2.5 R6.2 R22.2 R24.2 U1.3 U5.20 U6.9 U6.12 U7.3 VCC_5V.1 | length 5298.8
  Top Layer w7.87: U6.9@-588.4,2000.1 -427.72,2000.1 -354.53,1926.91 C21.2@-354.53,1921 ; U6.12@-588.4,2059.16 -532.22,2059.16 v1@-506.88,2084.5
  Top Layer w12: v1@-506.88,2084.5 v1(-506,2084.5)
  Top Layer w15: R22.2@-761,1850.57 -757.02,1850.57 -693.91,1787.46 -693.91,1780.91 v1(-692,1779) -551.79,1779 -543,1787.79 R24.2@-543,1850.57
  Top Layer w20: C3.1@-1852.42,2295 -1851.5,2295.92 -1851.5,2479.08 U1.3@-1850.58,2480 ; U5.20@-527,1063 -443.46,1063 -401.94,1021.48 C20.2@-398,1021.48 -341.48,1021.48 v1(-340,1020) ; R6.2@-523.91,425.37 -526.04,427.5 -526.04,467.96 v1(-481,513) ; v1(-462,2367) -455,2374 U7.3@-348,2374 -229.52,2374 C23.2@-214,2358.48 ; J2.5@-409.44,3851.91 -396.27,3865.08 -396.27,3927.18 -258.45,4065 C9.1@-258.45,4067 ; C21.2@-354.53,1921 -360,1915.53 -360,1838 v1(-312,1790)
  Bottom Layer w20: U1.3@-1850.58,2480 -1850.58,694.58 -1500.52,344.52 VCC_5V.1@-536.52,344.52 ; VCC_5V.1@-527,344.52 -498.96,372.56 -498.96,493.69 -481,511.65 v1(-481,513)
pads on no net: J1.3 J1.6 J1.7 J1.8 J2.1 J2.M1 J2.M2 J3.3 J3.M1 J3.M2 J4. U3.3 U4.1 U4.2 U4.3 U4.4 U4.8 U4.9 U4.10 U4.11 U4.17 U4.20 U4.21 U4.24 U4.25 U4.26 U4.27 U4.28 U4.29 U4.30 U4.37 U4.38 U4.39 U4.40 U4.43 U4.50 U4.51 U4.52 U4.53 U4.54 U4.55 U4.56 U4.57 U4.58 U4.59 U4.61 U4.62 U5.11 U5.12 U5.13

## Polygon pours and split planes (outlines as drawn)
GND on GROUND (split plane): -185.42,4979.62 -173.89,4978.48 -162.47,4976.59 -151.19,4973.96 -140.1,4970.6 -129.26,4966.52 -118.72,4961.74 -108.5,4956.28 -98.67,4950.17 -89.25,4943.42 -80.3,4936.07 -71.84,4928.16 -63.93,4919.7 -56.58,4910.75 -49.83,4901.33 -43.72,4891.5 -38.26,4881.28 -33.48,4870.74 -29.4,4859.9 -26.04,4848.81 -23.41,4837.53 -21.52,4826.11 -20.38,4814.58 -20.03,4803.7 -20.1,4803 -20.1,183 -20.03,182.36 -20.36,172.33 -21.41,161.72 -23.14,151.2 -25.57,140.81 -28.66,130.61 -32.42,120.62 -36.82,110.91 -41.85,101.5 -47.48,92.45 -53.69,83.78 -60.46,75.53 -67.75,67.75 -75.53,60.46 -83.78,53.69 -92.45,47.48 -101.5,41.85 -110.91,36.82 -120.62,32.42 -130.61,28.66 -140.81,25.57 -151.2,23.14 -161.72,21.41 -172.33,20.36 -182.36,20.03 -183,20.1 -1761.98,20.1 -1762.68,20.03 -1775.78,20.37 -1789.54,21.45 -1803.23,23.26 -1816.8,25.77 -1830.22,28.99 -1843.46,32.91 -1856.47,37.52 -1869.23,42.81 -1881.69,48.75 -1893.82,55.33 -1905.59,62.55 -1916.96,70.37 -1927.91,78.77 -1938.41,87.74 -1948.42,97.24 -1957.93,107.25 -1966.89,117.75 -1975.3,128.7 -1983.11,140.08 -1990.33,151.85 -1996.91,163.98 -2002.86,176.44 -2008.14,189.19 -2012.75,202.2 -2016.67,215.44 -2019.89,228.86 -2021.55,237.83 -2021.56,237.89 -2825.39,4794.79 -2825.65,4797.42 -2826.02,4808.67 -2825.65,4819.92 -2824.55,4831.13 -2822.72,4842.24 -2820.16,4853.2 -2816.89,4863.98 -2812.92,4874.51 -2808.28,4884.77 -2802.97,4894.7 -2797.02,4904.26 -2790.47,4913.41 -2783.32,4922.11 -2775.63,4930.33 -2767.41,4938.03 -2758.71,4945.17 -2749.55,4951.73 -2739.99,4957.67 -2730.06,4962.98 -2719.81,4967.63 -2709.27,4971.59 -2698.5,4974.86 -2687.53,4977.42 -2676.42,4979.25 -2669.83,4979.9 -197,4979.9 -196.3,4979.97
VCC_5V on POWER (split plane): -185.42,4979.62 -173.89,4978.48 -162.47,4976.59 -151.19,4973.96 -140.1,4970.6 -129.26,4966.52 -118.72,4961.74 -108.5,4956.28 -98.67,4950.17 -89.25,4943.42 -80.3,4936.07 -71.84,4928.16 -63.93,4919.7 -56.58,4910.75 -49.83,4901.33 -43.72,4891.5 -38.26,4881.28 -33.48,4870.74 -29.4,4859.9 -26.04,4848.81 -23.41,4837.53 -21.52,4826.11 -20.38,4814.58 -20.03,4803.7 -20.1,4803 -20.1,183 -20.03,182.36 -20.36,172.33 -21.41,161.72 -23.14,151.2 -25.57,140.81 -28.66,130.61 -32.42,120.62 -36.82,110.91 -41.85,101.5 -47.48,92.45 -53.69,83.78 -60.46,75.53 -67.75,67.75 -75.53,60.46 -83.78,53.69 -92.45,47.48 -101.5,41.85 -110.91,36.82 -120.62,32.42 -130.61,28.66 -140.81,25.57 -151.2,23.14 -161.72,21.41 -172.33,20.36 -182.36,20.03 -183,20.1 -1761.98,20.1 -1762.68,20.03 -1775.78,20.37 -1789.54,21.45 -1803.23,23.26 -1816.8,25.77 -1830.22,28.99 -1843.46,32.91 -1856.47,37.52 -1869.23,42.81 -1881.69,48.75 -1893.82,55.33 -1905.59,62.55 -1916.96,70.37 -1927.91,78.77 -1938.41,87.74 -1948.42,97.24 -1957.93,107.25 -1966.89,117.75 -1975.3,128.7 -1983.11,140.08 -1990.33,151.85 -1996.91,163.98 -2002.86,176.44 -2008.14,189.19 -2012.75,202.2 -2016.67,215.44 -2019.89,228.86 -2021.55,237.83 -2021.56,237.89 -2825.39,4794.79 -2825.65,4797.42 -2826.02,4808.67 -2825.65,4819.92 -2824.55,4831.13 -2822.72,4842.24 -2820.16,4853.2 -2816.89,4863.98 -2812.92,4874.51 -2808.28,4884.77 -2802.97,4894.7 -2797.02,4904.26 -2790.47,4913.41 -2783.32,4922.11 -2775.63,4930.33 -2767.41,4938.03 -2758.71,4945.17 -2749.55,4951.73 -2739.99,4957.67 -2730.06,4962.98 -2719.81,4967.63 -2709.27,4971.59 -2698.5,4974.86 -2687.53,4977.42 -2676.42,4979.25 -2669.83,4979.9 -197,4979.9 -196.3,4979.97
12V_Fused on POWER (split plane): -1595.6,3096.4 -1544.1,3044.89 -1544.1,2755.11 -1724.11,2575.1 -2335.89,2575.1 -2374.9,2614.11 -2374.9,3096.9 -1595.94,3096.9
VCC_3.3V on POWER (split plane): -583.1,1958.1 -746,1958.1 -747.95,1957.71 -749.6,1956.6 -750.71,1954.95 -751.1,1953 -751.1,1668 -750.71,1666.05 -749.6,1664.4 -747.95,1663.29 -746,1662.9 -515.1,1662.9 -515.1,899.11 -531.11,883.1 -1443.89,883.1 -1483.39,922.6 -1483.4,922.6 -1610.9,1050.11 -1610.9,1479 -1611.29,1480.95 -1612.4,1482.6 -2354.9,2225.11 -2354.9,2531.9 -1970.11,2531.9 -1967.1,2528.89 -1967.1,2264 -1966.71,2262.05 -1965.6,2260.4 -1909.46,2204.25 -1907.6,2202.4 -1905.95,2201.29 -1904,2200.9 -1650,2200.9 -1648.05,2201.29 -1646.4,2202.4 -1485.4,2363.4 -1315.89,2532.9 -583.1,2532.9
NetF1_1 on POWER (split plane): -1605.1,3735.89 -1605.1,3171.11 -1638.11,3138.1 -2374.9,3138.1 -2374.9,3511.89 -2306.89,3579.9 -1970,3579.9 -1968.05,3580.29 -1966.4,3581.4 -1926.4,3621.4 -1925.29,3623.05 -1924.9,3625 -1924.9,3718.89 -1880.89,3762.9 -1632.11,3762.9

## Other copper
POWER (plane layer: these items are gaps in the copper):
  lines w10: -2380,2612 -2380,3102 -1592,3102 -1592,3100 -1539,3047 -1539,2753 -1722,2570 -2338,2570 -2380,2612 ; -2380,3133 -1636,3133 -1600,3169 -1600,3738 -1630,3768 -1883,3768 -1930,3721 -1930,3625 -1970,3585 -2309,3585 -2380,3514 -2380,3133 ; -2360,2223 -1616,1479 -1616,1048 -1487,919 -1446,878 -529,878 -510,897 -510,1668 -746,1668 -746,1953 -578,1953 -578,2538 -1318,2538 -1489,2367 -1650,2206 -1904,2206 -1905.86,2207.86 -1962,2264 -1962,2531 -1968,2537 -2360,2537 -2360,2223

## Silkscreen, mask and mechanical layers (free items; w line width, h text height)
Top Overlay:
  drawing of 32 lines, arcs and shapes, not listed
  text "|------4mm------|" at -1886,4220.32 h60
  text "NAME: MASTER BOARD" at -1708.02,369.72 h60
  text "DATE : 11/30/2021" at -1708.02,316.29 h60
  text "CAR   :  F30" at -1708.02,262.8 h60

## Text inside footprints (layer, text, board x,y; h text height)
C2: Top Overlay "+" at -2013.35,2956.49 h60
J1: Top Overlay "2" at -1514.02,2126.01 h50; Top Overlay "1" at -1514.02,2061.99 h50; Mechanical 13 "2" at -1514.02,2126.01 h50; Mechanical 13 "1" at -1514.02,2061.99 h50